# KiCad board Keyboard.kicad_pcb (continued)
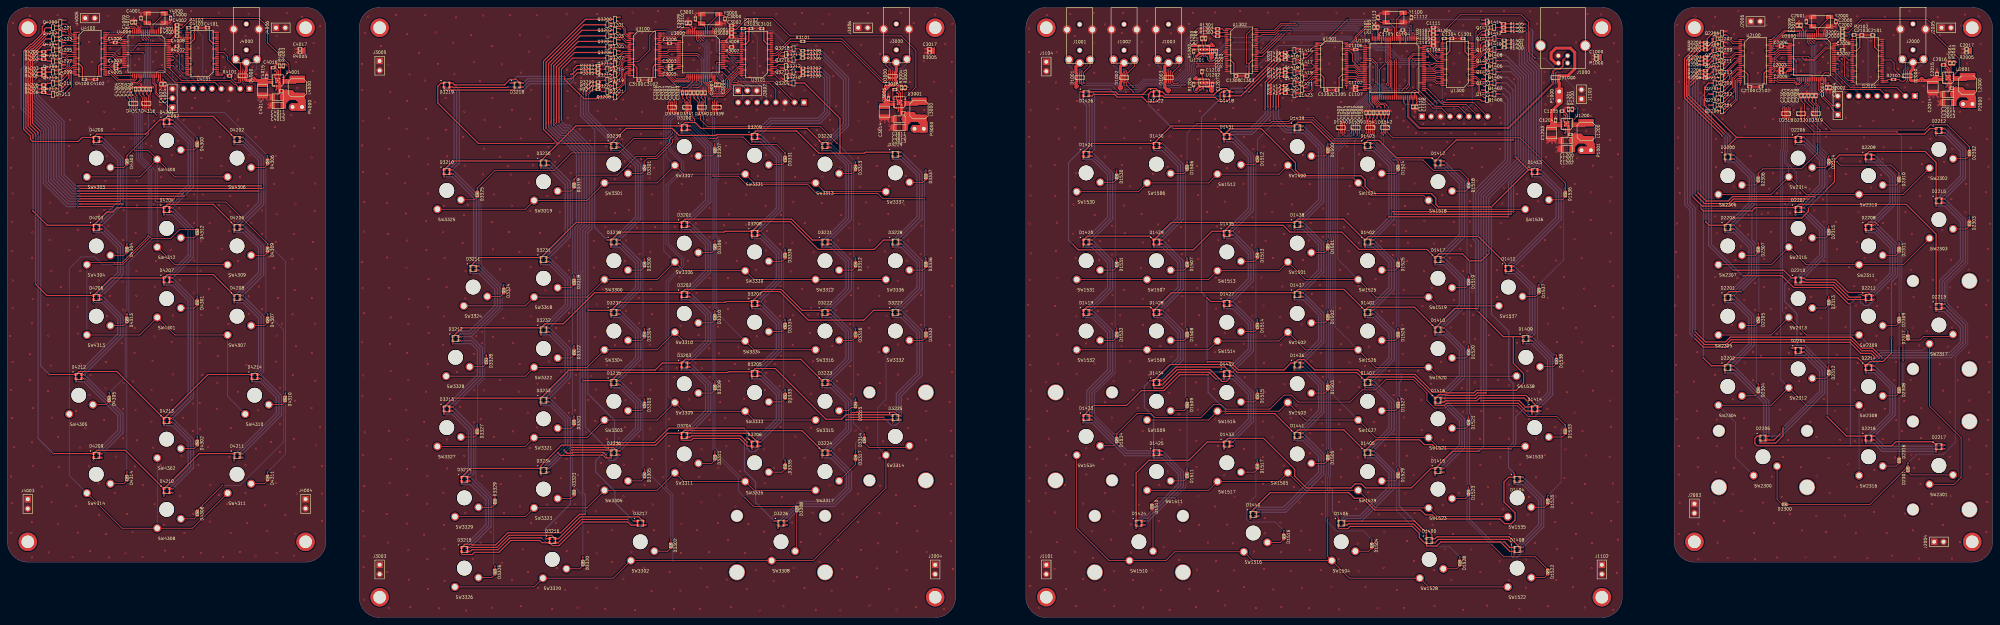
[diagram p0: board, top side]
## Library data of the parts (continued)
Q1400-Q1408 Q2200-Q2205 Q3200-Q3209 Q4200-Q4204 = -: Datasheet: https://www.onsemi.com/download/data-sheet/pdf/nta4151p-d.pdf; Description: P-Channel MOSFET; digikey#: DTA114EET1GOSCT-ND; mouser#: 863-NTA4151PT1G; farnell#: 2317622; Sim.Library: lib/spice/NTA4151P.LIB; Sim.Name: nta4151p; Sim.Device: SUBCKT; Sim.Pins: 1=2 2=3 3=1
Q1409-Q1423 Q2206-Q2214 Q3210-Q3221 Q4205-Q4213 = -: Datasheet: https://www.onsemi.com/download/data-sheet/pdf/nta4153n-d.pdf; Description: N-Channel MOSFET; mouser#: 863-NTA4153NT1G; farnell#: 2317621; Sim.Library: lib/spice/NTA4153N.REV0.LIB; Sim.Name: nta4153n; Sim.Device: SUBCKT; Sim.Pins: 1=2 2=3 3=1
R1000 R2005 R3005 R4005 = -: Datasheet: 667-ERJ-2RKF1004X; mouser#: 667-ERJ-2RKF1004X; ki_fp_filters: R_*
R1100 R1101 R1202-R1204 R1304 R2000 R2002 R2102 R3000 R3002 R3102 R4000 R4002 R4102 = -: Datasheet: 667-ERJ-2RKF1002X; mouser#: 667-ERJ-2RKF1002X; ki_fp_filters: R_*
R1102 R2001 R3001 R4001 = -: Datasheet: https://eu.mouser.com/datasheet/2/315/AOA0000C301-1488782.pdf; mouser#: 667-ERJ-2GE0R00X; ki_fp_filters: R_*
R1200 R2003 R3003 R4003 = -: Datasheet: 667-ERJ-2RKF7152X; mouser#: 667-ERJ-2RKF7152X; ki_fp_filters: R_*
R1201 R2004 R3004 R4004 = -: Datasheet: 667-ERJ-S02F2262X; mouser#: 667-ERJ-S02F2262X; ki_fp_filters: R_*
R1301-R1303 R2101 R3101 R4101 = -: Datasheet: 667-ERJ-2RKF1000X; mouser#: 667-ERJ-2RKF1000X; ki_fp_filters: R_*
R1400 R1403 R1406 R1409 R1412 R2200 R2203 R2206 R3200 R3203 R3206 R3209 R4200 R4203 R4206 = -: Datasheet: https://www.mouser.de/datasheet/2/447/PYu_RC_Group_51_RoHS_L_10-1664068.pdf; manf#: RC0402FR-0778R7L; mouser#: 603-RC0402FR-0778R7L; ki_fp_filters: R_*
R1401 R1404 R1407 R1410 R1413 R2201 R2204 R2207 R3201 R3204 R3207 R3210 R4201 R4204 R4207 = -: Datasheet: https://www.mouser.de/datasheet/2/315/AOA0000C304-1149620.pdf; manf#: ERJ-2RKF3000X; mouser#: 667-ERJ-2RKF3000X; ki_fp_filters: R_*
R1402 R1405 R1408 R1411 R1414 R2202 R2205 R2208 R3202 R3205 R3208 R3211 R4202 R4205 R4208 = -: Datasheet: https://www.mouser.de/datasheet/2/447/PYu_RC_Group_51_RoHS_L_10-1664068.pdf; manf#: RC0402FR-07127RL; mouser#: 603-RC0402FR-07127RL; ki_fp_filters: R_*
SW1500-SW1538 SW2300-SW2317 SW3300-SW3337 SW4300-SW4314 = -: Datasheet: https://www.cherrymx.de/dev.html; reichelt#: CHERRY MX1A-G1NA
U1100 U2000 U3000 U4000 = -: Datasheet: http://www.st.com/content/ccc/resource/technical/document/datasheet/9e/50/b1/5a/5f/ae/4d/c1/DM00086815.pdf/files/DM00086815.pdf/jcr:content/translations/en.DM00086815.pdf
U1200 U2001 U3001 U4001 = -: Datasheet: https://www.mouser.de/ProductDetail/Texas-Instruments/TLV62150RGTR?qs=sGAEpiMZZMsp%2fksXpw0UCdYH5JryFJ2T; Description: TLV62150x 4V to 17-V 1-A; mouser#: 595-TLV62150ARGTR; ki_fp_filters: VQFN16-RGT
U1300-U1302 U2100 U2101 U3100 U3101 U4100 U4101 = -: Datasheet: http://www.ti.com/lit/ds/symlink/sn74lvch16t245.pdf
X1004-X1007 X2004-X2007 X3004-X3007 X4004-X4007 = -: reichelt#: VT DI 5MM
X1400-X1402 X3200 X3201 = -: Datasheet: https://www.mouser.de/datasheet/2/109/Dialight_12192017_Panel%20Mount%205mm%20Lightpipe-1272673.pdf; manf#: 51513530188F; mouser#: 645-51513530188F
X1541 X1542 X2300-X2302 X3338 X3339 = -: Datasheet: https://datasheet.octopart.com/0G990743-Cherry-datasheet-130429.pdf; digikey#: G99-0742-ND; farnell#: 98B1430; mouser#: 540-G99-0224
Y1100 Y2000 Y3000 Y4000 = -: Datasheet: http://www.farnell.com/datasheets/2864167.pdf; farnell#: 2854013; ki_fp_filters: Crystal*

## Footprints (pads in the part's own frame, mm; a bottom-side part is the same pattern mirrored in y, then rotated)
APTF1616-RGB
  rect 0.8x0.7 smd: 1(0.75,-0.55) 2(-0.75,-0.55) 3(-0.75,0.55) 4(0.75,0.55)
C_0402
  rect 0.6x0.7 smd: 1(-0.5,0) 2(0.5,0)
C_1206
  rect 1.5x1.8 smd: 1(-1.5,0) 2(1.5,0)
C_1210
  rect 1.5x2.8 smd: 1(-1.5,0) 2(1.5,0)
Crystal_SMD_Multicomp_5032
  rect 2x1.2 smd: 1(-2.3,-1.3) 2(2.3,-1.3) 3(2.3,1.3) 4(-2.3,1.3)
Current-Probe-2.54
  rect 2.032x2.032 hole 1.016: 1(0,0)
  oval 2.032x2.032 hole 1.016: 2(0,-2.54)
FC68125
  round 1.5 hole 1.1: (0,7) (0,0)
  round 2.3 hole 1.5: 1(0,-3.4) 2(2.85,-2.5) 3(-3.4,5.6) 3(3.4,5.6) 6(-2.85,-2.5)
L_Taiyo-Yuden_NR-50xx
  rect 2x4.2 smd: 1(-2.3,0) 2(2.3,0)
LQFP-64
  rect 0.3x1.2 smd: 1(3.75,5.95) 2(3.25,5.95) 3(2.75,5.95) 4(2.25,5.95) 5(1.75,5.95) 6(1.25,5.95) 7(0.75,5.95) 8(0.25,5.95) 9(-0.25,5.95) 10(-0.75,5.95) 11(-1.25,5.95) 12(-1.75,5.95) 13(-2.25,5.95) 14(-2.75,5.95) 15(-3.25,5.95) 16(-3.75,5.95) 33(-3.75,-5.95) 34(-3.25,-5.95) 35(-2.75,-5.95) 36(-2.25,-5.95) 37(-1.75,-5.95) 38(-1.25,-5.95) 39(-0.75,-5.95) 40(-0.25,-5.95) 41(0.25,-5.95) 42(0.75,-5.95) 43(1.25,-5.95) 44(1.75,-5.95) 45(2.25,-5.95) 46(2.75,-5.95) 47(3.25,-5.95) 48(3.75,-5.95)
  rect 1.2x0.3 smd: 17(-5.95,3.75) 18(-5.95,3.25) 19(-5.95,2.75) 20(-5.95,2.25) 21(-5.95,1.75) 22(-5.95,1.25) 23(-5.95,0.75) 24(-5.95,0.25) 25(-5.95,-0.25) 26(-5.95,-0.75) 27(-5.95,-1.25) 28(-5.95,-1.75) 29(-5.95,-2.25) 30(-5.95,-2.75) 31(-5.95,-3.25) 32(-5.95,-3.75) 49(5.95,-3.75) 50(5.95,-3.25) 51(5.95,-2.75) 52(5.95,-2.25) 53(5.95,-1.75) 54(5.95,-1.25) 55(5.95,-0.75) 56(5.95,-0.25) 57(5.95,0.25) 58(5.95,0.75) 59(5.95,1.25) 60(5.95,1.75) 61(5.95,2.25) 62(5.95,2.75) 63(5.95,3.25) 64(5.95,3.75)
LQFP-100
  rect 0.3x1.2 smd: 1(6,7.95) 2(5.5,7.95) 3(5,7.95) 4(4.5,7.95) 5(4,7.95) 6(3.5,7.95) 7(3,7.95) 8(2.5,7.95) 9(2,7.95) 10(1.5,7.95) 11(1,7.95) 12(0.5,7.95) 13(0,7.95) 14(-0.5,7.95) 15(-1,7.95) 16(-1.5,7.95) 17(-2,7.95) 18(-2.5,7.95) 19(-3,7.95) 20(-3.5,7.95) 21(-4,7.95) 22(-4.5,7.95) 23(-5,7.95) 24(-5.5,7.95) 25(-6,7.95) 51(-6,-7.95) 52(-5.5,-7.95) 53(-5,-7.95) 54(-4.5,-7.95) 55(-4,-7.95) 56(-3.5,-7.95) 57(-3,-7.95) 58(-2.5,-7.95) 59(-2,-7.95) 60(-1.5,-7.95) 61(-1,-7.95) 62(-0.5,-7.95) 63(0,-7.95) 64(0.5,-7.95) 65(1,-7.95) 66(1.5,-7.95) 67(2,-7.95) 68(2.5,-7.95) 69(3,-7.95) 70(3.5,-7.95) 71(4,-7.95) 72(4.5,-7.95) 73(5,-7.95) 74(5.5,-7.95) 75(6,-7.95)
  rect 1.2x0.3 smd: 26(-7.95,6) 27(-7.95,5.5) 28(-7.95,5) 29(-7.95,4.5) 30(-7.95,4) 31(-7.95,3.5) 32(-7.95,3) 33(-7.95,2.5) 34(-7.95,2) 35(-7.95,1.5) 36(-7.95,1) 37(-7.95,0.5) 38(-7.95,0) 39(-7.95,-0.5) 40(-7.95,-1) 41(-7.95,-1.5) 42(-7.95,-2) 43(-7.95,-2.5) 44(-7.95,-3) 45(-7.95,-3.5) 46(-7.95,-4) 47(-7.95,-4.5) 48(-7.95,-5) 49(-7.95,-5.5) 50(-7.95,-6) 76(7.95,-6) 77(7.95,-5.5) 78(7.95,-5) 79(7.95,-4.5) 80(7.95,-4) 81(7.95,-3.5) 82(7.95,-3) 83(7.95,-2.5) 84(7.95,-2) 85(7.95,-1.5) 86(7.95,-1) 87(7.95,-0.5) 88(7.95,0) 89(7.95,0.5) 90(7.95,1) 91(7.95,1.5) 92(7.95,2) 93(7.95,2.5) 94(7.95,3) 95(7.95,3.5) 96(7.95,4) 97(7.95,4.5) 98(7.95,5) 99(7.95,5.5) 100(7.95,6)
Mounting-Hole-M3
  round 5 hole 3.4: 1(0,0)
Pin_Header_Horizontal_1x08_Pitch2.54mm
  rect 1.7x1.7 hole 1: 1(0,0)
  oval 1.7x1.7 hole 1: 2(0,-2.54) 3(0,-5.08) 4(0,-7.62) 5(0,-10.16) 6(0,-12.7) 7(0,-15.24) 8(0,-17.78)
Pin_Header_Straight_1x02_Pitch2.54mm
  rect 1.7x1.7 hole 1: 1(0,0)
  oval 1.7x1.7 hole 1: 2(0,-2.54)
Pin_Header_Straight_1x03_Pitch2.54mm
  rect 1.7x1.7 hole 1: 1(0,0)
  oval 1.7x1.7 hole 1: 2(0,-2.54) 3(0,-5.08)
R_0402
  rect 0.6x0.7 smd: 1(-0.5,0) 2(0.5,0)
SC-75
  rect 0.356x0.508 smd: 1(-0.5,-0.647) 2(0.5,-0.647) 3(0,0.647)
SOD-523
  rect 0.6x0.7 smd: 1(-0.7,0) 2(0.7,0)
STAB-G99-0224
  round 3.4 hole 3.1: (-11.9,7) (11.9,7)
  round 4.4 hole 4: (-11.9,-8.24) (11.9,-8.24)
SW_Cherry_MX1A_RGB
  round 4 hole 4 unplated: (0,0)
  round 2.2 hole 1.5: 1(2.54,5.08) 2(-3.81,2.54)
TSSOP48-DGG
  rect 0.3x1 smd: 1(-5.75,-4.05) 2(-5.25,-4.05) 3(-4.75,-4.05) 4(-4.25,-4.05) 5(-3.75,-4.05) 6(-3.25,-4.05) 7(-2.75,-4.05) 8(-2.25,-4.05) 9(-1.75,-4.05) 10(-1.25,-4.05) 11(-0.75,-4.05) 12(-0.25,-4.05) 13(0.25,-4.05) 14(0.75,-4.05) 15(1.25,-4.05) 16(1.75,-4.05) 17(2.25,-4.05) 18(2.75,-4.05) 19(3.25,-4.05) 20(3.75,-4.05) 21(4.25,-4.05) 22(4.75,-4.05) 23(5.25,-4.05) 24(5.75,-4.05) 25(5.75,4.05) 26(5.25,4.05) 27(4.75,4.05) 28(4.25,4.05) 29(3.75,4.05) 30(3.25,4.05) 31(2.75,4.05) 32(2.25,4.05) 33(1.75,4.05) 34(1.25,4.05) 35(0.75,4.05) 36(0.25,4.05) 37(-0.25,4.05) 38(-0.75,4.05) 39(-1.25,4.05) 40(-1.75,4.05) 41(-2.25,4.05) 42(-2.75,4.05) 43(-3.25,4.05) 44(-3.75,4.05) 45(-4.25,4.05) 46(-4.75,4.05) 47(-5.25,4.05) 48(-5.75,4.05)
USB-61400416121
  round 1.4 hole 0.92: 1(1.25,4.71) 2(-1.25,4.71) 3(-1.25,2.71) 4(1.25,2.71)
  round 3 hole 2.3: 5(-6.02,0) 5(6.02,0)
USON10
  rect 0.7x0.2 smd: 1(-0.492,1) 2(-0.492,0.5) 4(-0.492,-0.5) 5(-0.492,-1) 6(0.492,-1) 7(0.492,-0.5) 9(0.492,0.5) 10(0.492,1)
  rect 0.7x0.4 smd: 3(-0.492,0) 8(0.492,0)
VQFN16-RGT
  rect 0.8x0.24 smd: 1(-1.5,0.75) 2(-1.5,0.25) 3(-1.5,-0.25) 4(-1.5,-0.75) 9(1.5,-0.75) 10(1.5,-0.25) 11(1.5,0.25) 12(1.5,0.75)
  rect 0.24x0.8 smd: 5(-0.75,-1.5) 6(-0.25,-1.5) 7(0.25,-1.5) 8(0.75,-1.5) 13(0.75,1.5) 14(0.25,1.5) 15(-0.25,1.5) 16(-0.75,1.5)
  round 0.4 hole 0.2: 17(-0.5,0.5) 17(-0.5,-0.5) 17(0,0) 17(0.5,0.5) 17(0.5,-0.5)
  rect 1.5x1.5 smd: 17(0,0)
WSON-14
  rect 0.2x0.75 smd: 1(-1.2,-1.025) 2(-0.8,-1.025) 3(-0.4,-1.025) 4(0,-1.025) 5(0.4,-1.025) 6(0.8,-1.025) 7(1.2,-1.025) 8(1.2,1.025) 9(0.8,1.025) 10(0.4,1.025) 11(0,1.025) 12(-0.4,1.025) 13(-0.8,1.025) 14(-1.2,1.025)
  round 0.5 hole 0.3: 11(-0.9,0) 11(0,0) 11(0.9,0)
  rect 2.5x0.9 smd: 11(0,0)

## Nets
/VBUS: D1000.4 D1000.5 D1000.6 D1000.7 J1000.1 P1000.1
/VDD_5V_M1: D1001.1 D1001.2 D1001.9 D1001.10 J1001.1 U1201.13 U1201.14
/VDD_5V_M2: D1002.1 D1002.2 D1002.9 D1002.10 J1002.1 U1201.8 U1201.9
/VDD_5V_M3: D1003.1 D1003.2 D1003.9 D1003.10 J1003.1 U1202.13 U1202.14
GND: C1000.2 C1100.1 C1101.2 C1102.1 C1103.2 C1104.1 C1105.1 C1106.1 C1107.1 C1108.1 C1109.1 C1110.1 C1111.1 C1112.2 C1113.2 C1200.2 C1201.2 C1202.2 C1203.2 C1204.2 C1205.2 C1206.2 C1207.2 C1208.1 C1209.1 C1210.1 C1300.2 C1301.2 C1302.2 C1303.2 C1304.2 C1305.2 C1500.2 C1501.2 C1502.2 C1503.2 C1504.2 C1505.2 C1506.2 C2000.2 C2001.2 C2002.1 C2003.1 C2004.2 C2005.1 C2006.1 C2007.1 C2008.1 C2009.1 C2010.2 C2011.2 C2012.2 C2013.2 C2014.2 C2015.2 C2016.2 C2017.2 C2100.2 C2101.2 C2102.2 C2103.2 C2300.2 C2301.2 C2302.2 C2303.2 C2304.2 C3000.2 C3001.2 C3002.1 C3003.1 C3004.2 C3005.1 C3006.1 C3007.1 C3008.1 C3009.1 C3010.2 C3011.2 C3012.2 C3013.2 C3014.2 C3015.2 C3016.2 C3017.2 C3100.2 C3101.2 C3102.2 C3103.2 C3300.2 C3301.2 C3302.2 C3303.2 C3304.2 C3305.2 C3306.2 C4000.2 C4001.2 C4002.1 C4003.1 C4004.2 C4005.1 C4006.1 C4007.1 C4008.1 C4009.1 C4010.2 C4011.2 C4012.2 C4013.2 C4014.2 C4015.2 C4016.2 C4017.2 C4100.2 C4101.2 C4102.2 C4103.2 C4300.2 C4301.2 C4302.2 C4303.2 C4304.2 D1000.3 D1000.8 D1001.3 D1001.8 D1002.3 D1002.8 D1003.3 D1003.8 D1539.3 D1539.8 D1540.3 D1540.8 D1541.3 D1541.8 D1542.3 D1542.8 D2000.3 D2000.8 D2318.3 D2318.8 D2319.3 D2319.8 D2320.3 D2320.8 D3000.3 D3000.8 D3338.3 D3338.8 D3339.3 D3339.8 D3340.3 D3340.8 D3341.3 D3341.8 D4000.3 D4000.8 D4316.3 D4316.8 D4317.3 D4317.8 J1000.4 J1001.3 J1002.3 J1003.3 J1100.3 J1101.1 J1101.2 J1102.1 J1102.2 J1103.1 J1103.2 J1104.1 J1104.2 J2000.3 J2001.3 J2002.3 J2003.1 J2003.2 J2004.1 J2004.2 J2005.1 J2005.2 J2006.1 J2006.2 J3000.3 J3001.3 J3002.3 J3003.1 J3003.2 J3004.1 J3004.2 J3005.1 J3005.2 J3006.1 J3006.2 J4000.3 J4001.3 J4002.3 J4003.1 J4003.2 J4004.1 J4004.2 J4005.1 J4005.2 J4006.1 J4006.2 Q1409.2 Q1410.2 Q1411.2 Q1412.2 Q1413.2 Q1414.2 Q1415.2 Q1416.2 Q1417.2 Q1418.2 Q1419.2 Q1420.2 Q1421.2 Q1422.2 Q1423.2 Q2206.2 Q2207.2 Q2208.2 Q2209.2 Q2210.2 Q2211.2 Q2212.2 Q2213.2 Q2214.2 Q3210.2 Q3211.2 Q3212.2 Q3213.2 Q3214.2 Q3215.2 Q3216.2 Q3217.2 Q3218.2 Q3219.2 Q3220.2 Q3221.2 Q4205.2 Q4206.2 Q4207.2 Q4208.2 Q4209.2 Q4210.2 Q4211.2 Q4212.2 Q4213.2 R1000.2 R1100.2 R1201.2 R1202.2 R1203.2 R1204.2 R2002.1 R2004.2 R2005.2 R3002.1 R3004.2 R3005.2 R4002.1 R4004.2 R4005.2 U1100.7 U1100.10 U1100.20 U1100.27 U1100.49 U1100.74 U1100.80 U1100.99 U1200.6 U1200.8 U1200.15 U1200.16 U1200.17 U1201.11 U1202.5 U1202.11 U1300.4 U1300.10 U1300.15 U1300.21 U1300.28 U1300.34 U1300.39 U1300.45 U1301.4 U1301.10 U1301.15 U1301.21 U1301.28 U1301.34 U1301.39 U1301.45 U1302.4 U1302.10 U1302.15 U1302.21 U1302.24 U1302.28 U1302.34 U1302.39 U1302.45 U2000.2 U2000.12 U2000.18 U2000.31 U2000.47 U2000.63 U2001.6 U2001.8 U2001.15 U2001.16 U2001.17 U2100.4 U2100.10 U2100.15 U2100.21 U2100.28 U2100.34 U2100.39 U2100.45 U2101.4 U2101.10 U2101.15 U2101.21 U2101.24 U2101.28 U2101.34 U2101.39 U2101.45 U3000.12 U3000.18 U3000.31 U3000.47 U3000.53 U3000.63 U3001.6 U3001.8 U3001.15 U3001.16 U3001.17 U3100.4 U3100.10 U3100.15 U3100.21 U3100.28 U3100.34 U3100.39 U3100.45 U3101.4 U3101.10 U3101.15 U3101.21 U3101.24 U3101.28 U3101.34 U3101.39 U3101.45 U4000.12 U4000.18 U4000.31 U4000.47 U4000.63 U4001.6 U4001.8 U4001.15 U4001.16 U4001.17 U4100.4 U4100.10 U4100.15 U4100.21 U4100.28 U4100.34 U4100.39 U4100.45 U4101.4 U4101.10 U4101.15 U4101.21 U4101.24 U4101.28 U4101.34 U4101.39 U4101.45 Y1100.2 Y1100.4 Y2000.2 Y2000.4 Y3000.2 Y3000.4 Y4000.2 Y4000.4
VDD_3V3: C1100.2 C1101.1 C1103.1 C1104.2 C1105.2 C1106.2 C1107.2 C1108.2 C1109.2 C1303.1 C1304.1 C1305.1 J1100.1 P1001.2 R1101.1 R1304.1 U1100.11 U1100.19 U1100.21 U1100.22 U1100.28 U1100.50 U1100.75 U1100.100 U1300.1 U1300.24 U1300.31 U1300.42 U1301.1 U1301.24 U1301.31 U1301.42 U1302.1 U1302.31 U1302.42
VDD_3V3_2: C2004.1 C2005.2 C2006.2 C2007.2 C2008.2 C2009.2 C2010.1 C2102.1 C2103.1 J2001.1 P2000.2 R2000.1 R2102.1 U2000.13 U2000.19 U2000.32 U2000.48 U2000.53 U2000.64 U2100.1 U2100.24 U2100.31 U2100.42 U2101.1 U2101.31 U2101.42
VDD_3V3_3: C3004.1 C3005.2 C3006.2 C3007.2 C3008.2 C3009.2 C3010.1 C3102.1 C3103.1 J3001.1 P3000.2 R3000.1 R3102.1 U3000.2 U3000.13 U3000.19 U3000.32 U3000.48 U3000.64 U3100.1 U3100.24 U3100.31 U3100.42 U3101.1 U3101.31 U3101.42
VDD_3V3_4: C4004.1 C4005.2 C4006.2 C4007.2 C4008.2 C4009.2 C4010.1 C4102.1 C4103.1 J4001.1 P4000.2 R4000.1 R4102.1 U4000.2 U4000.13 U4000.19 U4000.32 U4000.48 U4000.53 U4000.64 U4100.1 U4100.24 U4100.31 U4100.42 U4101.1 U4101.31 U4101.42
VDD_5V0: C1203.1 C1204.1 C1206.1 C1207.1 C1300.1 C1301.1 C1302.1 P1000.2 Q1400.2 Q1401.2 Q1402.2 Q1403.2 Q1404.2 Q1405.2 Q1406.2 Q1407.2 Q1408.2 U1100.68 U1200.10 U1200.11 U1200.12 U1200.13 U1201.1 U1201.2 U1201.4 U1201.6 U1201.7 U1202.1 U1202.2 U1202.4 U1202.6 U1202.7 U1300.7 U1300.18 U1301.7 U1301.18 U1302.7 U1302.18
VDD_5V0_2: C2014.1 C2015.1 C2100.1 C2101.1 D2000.4 D2000.5 D2000.6 D2000.7 J2000.1 Q2200.2 Q2201.2 Q2202.2 Q2203.2 Q2204.2 Q2205.2 U2001.10 U2001.11 U2001.12 U2001.13 U2100.7 U2100.18 U2101.7 U2101.18
VDD_5V0_3: C3014.1 C3015.1 C3100.1 C3101.1 D3000.4 D3000.5 D3000.6 D3000.7 J3000.1 Q3200.2 Q3201.2 Q3202.2 Q3203.2 Q3204.2 Q3205.2 Q3206.2 Q3207.2 Q3208.2 Q3209.2 U3001.10 U3001.11 U3001.12 U3001.13 U3100.7 U3100.18 U3101.7 U3101.18
VDD_5V0_4: C4014.1 C4015.1 C4100.1 C4101.1 D4000.4 D4000.5 D4000.6 D4000.7 J4000.1 Q4200.2 Q4201.2 Q4202.2 Q4203.2 Q4204.2 U4001.10 U4001.11 U4001.12 U4001.13 U4100.7 U4100.18 U4101.7 U4101.18
/D+: D1000.1 D1000.10 J1000.3 U1100.71
/D-: D1000.2 D1000.9 J1000.2 U1100.70
/Keyboard-Left/CPU-Left/JTAG_RST: J3001.8 U3000.56
/Keyboard-Left/CPU-Left/JTAG_TCK: J3001.2 U3000.49
/Keyboard-Left/CPU-Left/JTAG_TDI: J3001.7 U3000.50
/Keyboard-Left/CPU-Left/JTAG_TDO: J3001.6 U3000.55
/Keyboard-Left/CPU-Left/JTAG_TMS: J3001.4 U3000.46
/Keyboard-Left/CPU-Left/LC1: U3000.14 U3100.47
/Keyboard-Left/CPU-Left/LC2: U3000.15 U3100.46
/Keyboard-Left/CPU-Left/LC3: U3000.16 U3100.44
/Keyboard-Left/CPU-Left/LC4: U3000.17 U3100.43
/Keyboard-Left/CPU-Left/LC5: U3000.20 U3100.41
/Keyboard-Left/CPU-Left/LC6: U3000.21 U3100.40
/Keyboard-Left/CPU-Left/LC7: U3000.22 U3100.38
/Keyboard-Left/CPU-Left/LC8: U3000.23 U3100.37
/Keyboard-Left/CPU-Left/LC9: U3000.41 U3100.26
/Keyboard-Left/CPU-Left/LC10: U3000.42 U3101.47
/Keyboard-Left/CPU-Left/LR1: U3000.43 U3101.46
/Keyboard-Left/CPU-Left/LR4: U3000.26 U3100.36
/Keyboard-Left/CPU-Left/LR5: U3000.27 U3100.35
/Keyboard-Left/CPU-Left/LR6: U3000.28 U3100.33
/Keyboard-Left/CPU-Left/LR7: U3000.61 U3101.41
/Keyboard-Left/CPU-Left/LR8: U3000.62 U3101.40
/Keyboard-Left/CPU-Left/LR9: U3000.29 U3100.32
/Keyboard-Left/CPU-Left/LR10: U3000.33 U3100.30
/Keyboard-Left/CPU-Left/LR11: U3000.34 U3100.29
/Keyboard-Left/CPU-Left/LR12: U3000.35 U3100.27
/Keyboard-Left/CPU-Left/LV_EN: R3102.2 U3000.57 U3100.25 U3100.48 U3101.25 U3101.48
/Keyboard-Left/CPU-Left/nRST: C3002.2 J3001.5 R3000.2 R3001.2 U3000.7
/Keyboard-Left/CPU-Left/PG: R3001.1 U3001.4
/Keyboard-Left/CPU-Left/UART6_RX3: J3002.2 U3000.45 U3101.43
/Keyboard-Left/CPU-Left/UART6_TX3: J3002.1 U3000.44 U3101.44
/Keyboard-Left/CPU-Left/USART1_RX: U3000.59 U3101.36
/Keyboard-Left/CPU-Left/USART1_TX: U3000.58 U3101.37
/Keyboard-Left/KeyMatrix-Left/KC1: D3338.5 D3338.6 SW3300.1 SW3306.1 SW3312.1 SW3318.1 SW3324.1 SW3330.1 SW3336.1 U3000.37
/Keyboard-Left/KeyMatrix-Left/KC2: D3338.4 D3338.7 SW3301.1 SW3307.1 SW3313.1 SW3319.1 SW3325.1 SW3331.1 SW3337.1 U3000.38
/Keyboard-Left/KeyMatrix-Left/KC3: D3338.2 D3338.9 SW3302.1 SW3308.1 SW3314.1 SW3320.1 SW3326.1 SW3332.1 U3000.39
/Keyboard-Left/KeyMatrix-Left/KC4: D3338.1 D3338.10 SW3303.1 SW3309.1 SW3315.1 SW3321.1 SW3327.1 SW3333.1 U3000.40
/Keyboard-Left/KeyMatrix-Left/KC5: D3339.4 D3339.7 SW3304.1 SW3310.1 SW3316.1 SW3322.1 SW3328.1 SW3334.1 U3000.51
/Keyboard-Left/KeyMatrix-Left/KC6: D3339.5 D3339.6 SW3305.1 SW3311.1 SW3317.1 SW3323.1 SW3329.1 SW3335.1 U3000.52
/Keyboard-Left/KeyMatrix-Left/KR1: C3300.1 D3300.1 D3301.1 D3302.1 D3303.1 D3304.1 D3305.1 D3340.5 D3340.6 U3000.8
/Keyboard-Left/KeyMatrix-Left/KR2: C3301.1 D3306.1 D3307.1 D3308.1 D3309.1 D3310.1 D3311.1 D3340.4 D3340.7 U3000.9
/Keyboard-Left/KeyMatrix-Left/KR3: C3302.1 D3312.1 D3313.1 D3314.1 D3315.1 D3316.1 D3317.1 D3340.2 D3340.9 U3000.10
/Keyboard-Left/KeyMatrix-Left/KR4: C3303.1 D3318.1 D3319.1 D3320.1 D3321.1 D3322.1 D3323.1 D3340.1 D3340.10 U3000.11
/Keyboard-Left/KeyMatrix-Left/KR5: C3304.1 D3324.1 D3325.1 D3326.1 D3327.1 D3328.1 D3329.1 D3341.5 D3341.6 U3000.24
/Keyboard-Left/KeyMatrix-Left/KR6: C3305.1 D3330.1 D3331.1 D3333.1 D3334.1 D3335.1 D3341.4 D3341.7 U3000.25
/Keyboard-Left/KeyMatrix-Left/KR7: C3306.1 D3332.1 D3336.1 D3337.1 D3341.2 D3341.9 U3000.36
/Keyboard-Left/LedMatrix-Left/LC1: Q3200.1 U3100.2
/Keyboard-Left/LedMatrix-Left/LC1_X3: D3200.1 D3210.1 D3220.1 D3230.1 Q3200.3
/Keyboard-Left/LedMatrix-Left/LC2: Q3201.1 U3100.3
/Keyboard-Left/LedMatrix-Left/LC2_X3: D3201.1 D3211.1 D3221.1 D3231.1 Q3201.3
/Keyboard-Left/LedMatrix-Left/LC3: Q3202.1 U3100.5
/Keyboard-Left/LedMatrix-Left/LC3_X4: D3202.1 D3212.1 D3222.1 D3232.1 Q3202.3
/Keyboard-Left/LedMatrix-Left/LC4: Q3203.1 U3100.6
/Keyboard-Left/LedMatrix-Left/LC4_X5: D3203.1 D3213.1 D3223.1 D3233.1 Q3203.3
/Keyboard-Left/LedMatrix-Left/LC5: Q3204.1 U3100.8
/Keyboard-Left/LedMatrix-Left/LC5_X6: D3204.1 D3214.1 D3224.1 D3234.1 Q3204.3
/Keyboard-Left/LedMatrix-Left/LC6: Q3205.1 U3100.9
/Keyboard-Left/LedMatrix-Left/LC6_X7: D3205.1 D3215.1 D3225.1 D3235.1 Q3205.3
/Keyboard-Left/LedMatrix-Left/LC7: Q3206.1 U3100.11
/Keyboard-Left/LedMatrix-Left/LC7_X8: D3206.1 D3216.1 D3226.1 D3236.1 Q3206.3
/Keyboard-Left/LedMatrix-Left/LC8: Q3207.1 U3100.12
/Keyboard-Left/LedMatrix-Left/LC8_X9: D3207.1 D3217.1 D3227.1 D3237.1 Q3207.3
/Keyboard-Left/LedMatrix-Left/LC9: Q3208.1 U3100.23
/Keyboard-Left/LedMatrix-Left/LC9_X10: D3208.1 D3218.1 D3228.1 D3238.1 Q3208.3
/Keyboard-Left/LedMatrix-Left/LC10: Q3209.1 U3101.2
/Keyboard-Left/LedMatrix-Left/LC10_X3: D3209.1 D3219.1 D3229.1 D3239.1 Q3209.3
/Keyboard-Left/LedMatrix-Left/LR1: Q3210.1 U3101.3
/Keyboard-Left/LedMatrix-Left/LR1_X3: D3200.4 D3201.4 D3202.4 D3203.4 D3204.4 D3205.4 D3206.4 D3207.4 D3208.4 D3209.4 R3200.1
/Keyboard-Left/LedMatrix-Left/LR2: Q3211.1 U3101.5
/Keyboard-Left/LedMatrix-Left/LR2_X3: D3200.3 D3201.3 D3202.3 D3203.3 D3204.3 D3205.3 D3206.3 D3207.3 D3208.3 D3209.3 R3201.1
/Keyboard-Left/LedMatrix-Left/LR3: Q3212.1 U3101.6
/Keyboard-Left/LedMatrix-Left/LR3_X3: D3200.2 D3201.2 D3202.2 D3203.2 D3204.2 D3205.2 D3206.2 D3207.2 D3208.2 D3209.2 R3202.1
/Keyboard-Left/LedMatrix-Left/LR4: Q3213.1 U3100.13
/Keyboard-Left/LedMatrix-Left/LR4_X3: D3210.4 D3211.4 D3212.4 D3213.4 D3214.4 D3215.4 D3216.4 D3217.4 D3218.4 D3219.4 R3203.1
/Keyboard-Left/LedMatrix-Left/LR5: Q3214.1 U3100.14
/Keyboard-Left/LedMatrix-Left/LR5_X3: D3210.3 D3211.3 D3212.3 D3213.3 D3214.3 D3215.3 D3216.3 D3217.3 D3218.3 D3219.3 R3204.1
/Keyboard-Left/LedMatrix-Left/LR6: Q3215.1 U3100.16
/Keyboard-Left/LedMatrix-Left/LR6_X3: D3210.2 D3211.2 D3212.2 D3213.2 D3214.2 D3215.2 D3216.2 D3217.2 D3218.2 D3219.2 R3205.1
/Keyboard-Left/LedMatrix-Left/LR7: Q3216.1 U3101.8
/Keyboard-Left/LedMatrix-Left/LR7_X3: D3220.4 D3221.4 D3222.4 D3223.4 D3224.4 D3225.4 D3226.4 D3227.4 D3228.4 D3229.4 R3206.1
/Keyboard-Left/LedMatrix-Left/LR8: Q3217.1 U3101.9
/Keyboard-Left/LedMatrix-Left/LR8_X3: D3220.3 D3221.3 D3222.3 D3223.3 D3224.3 D3225.3 D3226.3 D3227.3 D3228.3 D3229.3 R3207.1
/Keyboard-Left/LedMatrix-Left/LR9: Q3218.1 U3100.17
/Keyboard-Left/LedMatrix-Left/LR9_X3: D3220.2 D3221.2 D3222.2 D3223.2 D3224.2 D3225.2 D3226.2 D3227.2 D3228.2 D3229.2 R3208.1
/Keyboard-Left/LedMatrix-Left/LR10: Q3219.1 U3100.19
/Keyboard-Left/LedMatrix-Left/LR10_X3: D3230.4 D3231.4 D3232.4 D3233.4 D3234.4 D3235.4 D3236.4 D3237.4 D3238.4 D3239.4 R3209.1
/Keyboard-Left/LedMatrix-Left/LR11: Q3220.1 U3100.20
/Keyboard-Left/LedMatrix-Left/LR11_X3: D3230.3 D3231.3 D3232.3 D3233.3 D3234.3 D3235.3 D3236.3 D3237.3 D3238.3 D3239.3 R3210.1
/Keyboard-Left/LedMatrix-Left/LR12: Q3221.1 U3100.22
/Keyboard-Left/LedMatrix-Left/LR12_X3: D3230.2 D3231.2 D3232.2 D3233.2 D3234.2 D3235.2 D3236.2 D3237.2 D3238.2 D3239.2 R3211.1
/Keyboard-Left/SHIELD_3: C3017.1 R3005.1 X3000.1 X3001.1 X3002.1 X3003.1
/Keyboard-Navblock/CPU-Navblock/JTAG_RST: J4001.8 U4000.56
/Keyboard-Navblock/CPU-Navblock/JTAG_TCK: J4001.2 U4000.49
/Keyboard-Navblock/CPU-Navblock/JTAG_TDI: J4001.7 U4000.50
/Keyboard-Navblock/CPU-Navblock/JTAG_TDO: J4001.6 U4000.55
/Keyboard-Navblock/CPU-Navblock/JTAG_TMS: J4001.4 U4000.46
/Keyboard-Navblock/CPU-Navblock/LC1: U4000.14 U4100.47
/Keyboard-Navblock/CPU-Navblock/LC2: U4000.15 U4100.46
/Keyboard-Navblock/CPU-Navblock/LC3: U4000.16 U4100.44
/Keyboard-Navblock/CPU-Navblock/LC4: U4000.17 U4100.43
/Keyboard-Navblock/CPU-Navblock/LC5: U4000.20 U4100.41
/Keyboard-Navblock/CPU-Navblock/LR1: U4000.26 U4100.37
/Keyboard-Navblock/CPU-Navblock/LR2: U4000.27 U4100.36
/Keyboard-Navblock/CPU-Navblock/LR3: U4000.28 U4100.35
/Keyboard-Navblock/CPU-Navblock/LR4: U4000.61 U4100.33
/Keyboard-Navblock/CPU-Navblock/LR5: U4000.62 U4100.32
/Keyboard-Navblock/CPU-Navblock/LR6: U4000.29 U4100.30
/Keyboard-Navblock/CPU-Navblock/LR7: U4000.33 U4100.29
/Keyboard-Navblock/CPU-Navblock/LR8: U4000.34 U4100.27
/Keyboard-Navblock/CPU-Navblock/LR9: U4000.35 U4100.26
/Keyboard-Navblock/CPU-Navblock/LV_EN: R4102.2 U4000.57 U4100.25 U4100.48 U4101.25 U4101.48
/Keyboard-Navblock/CPU-Navblock/nRST: C4002.2 J4001.5 R4000.2 R4001.2 U4000.7
/Keyboard-Navblock/CPU-Navblock/PG: R4001.1 U4001.4
/Keyboard-Navblock/CPU-Navblock/UART6_RX4: J4002.2 U4000.45
/Keyboard-Navblock/CPU-Navblock/UART6_TX4: J4002.1 U4000.44
/Keyboard-Navblock/CPU-Navblock/USART1_RX: U4000.59 U4101.36
/Keyboard-Navblock/CPU-Navblock/USART1_TX: U4000.58 U4101.47
/Keyboard-Navblock/KeyMatrix-Navblock/KC1: D4317.1 D4317.10 SW4300.1 SW4303.1 SW4306.1 SW4309.1 SW4312.1 U4000.25
/Keyboard-Navblock/KeyMatrix-Navblock/KC2: D4317.2 D4317.9 SW4301.1 SW4304.1 SW4307.1 SW4310.1 SW4313.1 U4000.37
/Keyboard-Navblock/KeyMatrix-Navblock/KC3: D4317.4 D4317.7 SW4302.1 SW4305.1 SW4308.1 SW4311.1 SW4314.1 U4000.38
/Keyboard-Navblock/KeyMatrix-Navblock/KR1: C4300.1 D4300.1 D4301.1 D4302.1 D4316.5 D4316.6 U4000.8
/Keyboard-Navblock/KeyMatrix-Navblock/KR2: C4301.1 D4303.1 D4304.1 D4305.1 D4316.4 D4316.7 U4000.9
/Keyboard-Navblock/KeyMatrix-Navblock/KR3: C4302.1 D4306.1 D4307.1 D4308.1 D4316.2 D4316.9 U4000.10
/Keyboard-Navblock/KeyMatrix-Navblock/KR4: C4303.1 D4309.1 D4310.1 D4311.1 D4316.1 D4316.10 U4000.11
/Keyboard-Navblock/KeyMatrix-Navblock/KR5: C4304.1 D4312.1 D4313.1 D4314.1 D4317.5 D4317.6 U4000.24
/Keyboard-Navblock/LedMatrix-Navblock/LC1: Q4200.1 U4100.2
/Keyboard-Navblock/LedMatrix-Navblock/LC1_X4: D4200.1 D4201.1 D4202.1 Q4200.3
/Keyboard-Navblock/LedMatrix-Navblock/LC2: Q4201.1 U4100.3
/Keyboard-Navblock/LedMatrix-Navblock/LC2_X4: D4203.1 D4204.1 D4205.1 Q4201.3
/Keyboard-Navblock/LedMatrix-Navblock/LC3: Q4202.1 U4100.5
/Keyboard-Navblock/LedMatrix-Navblock/LC3_X4: D4206.1 D4207.1 D4208.1 Q4202.3
/Keyboard-Navblock/LedMatrix-Navblock/LC4: Q4203.1 U4100.6
/Keyboard-Navblock/LedMatrix-Navblock/LC4_X4: D4209.1 D4210.1 D4211.1 Q4203.3
/Keyboard-Navblock/LedMatrix-Navblock/LC5: Q4204.1 U4100.8
/Keyboard-Navblock/LedMatrix-Navblock/LC5_X4: D4212.1 D4213.1 D4214.1 Q4204.3
/Keyboard-Navblock/LedMatrix-Navblock/LR1: Q4205.1 U4100.12
/Keyboard-Navblock/LedMatrix-Navblock/LR1_X4: D4200.4 D4203.4 D4206.4 D4209.4 D4212.4 R4200.1
/Keyboard-Navblock/LedMatrix-Navblock/LR2: Q4206.1 U4100.13
/Keyboard-Navblock/LedMatrix-Navblock/LR2_X4: D4200.3 D4203.3 D4206.3 D4209.3 D4212.3 R4201.1
/Keyboard-Navblock/LedMatrix-Navblock/LR3: Q4207.1 U4100.14
/Keyboard-Navblock/LedMatrix-Navblock/LR3_X4: D4200.2 D4203.2 D4206.2 D4209.2 D4212.2 R4202.1
/Keyboard-Navblock/LedMatrix-Navblock/LR4: Q4208.1 U4100.16
/Keyboard-Navblock/LedMatrix-Navblock/LR4_X4: D4201.4 D4204.4 D4207.4 D4210.4 D4213.4 R4203.1
/Keyboard-Navblock/LedMatrix-Navblock/LR5: Q4209.1 U4100.17
/Keyboard-Navblock/LedMatrix-Navblock/LR5_X4: D4201.3 D4204.3 D4207.3 D4210.3 D4213.3 R4204.1
/Keyboard-Navblock/LedMatrix-Navblock/LR6: Q4210.1 U4100.19
/Keyboard-Navblock/LedMatrix-Navblock/LR6_X4: D4201.2 D4204.2 D4207.2 D4210.2 D4213.2 R4205.1
/Keyboard-Navblock/LedMatrix-Navblock/LR7: Q4211.1 U4100.20
/Keyboard-Navblock/LedMatrix-Navblock/LR7_X4: D4202.4 D4205.4 D4208.4 D4211.4 D4214.4 R4206.1
/Keyboard-Navblock/LedMatrix-Navblock/LR8: Q4212.1 U4100.22
/Keyboard-Navblock/LedMatrix-Navblock/LR8_X4: D4202.3 D4205.3 D4208.3 D4211.3 D4214.3 R4207.1
/Keyboard-Navblock/LedMatrix-Navblock/LR9: Q4213.1 U4100.23
/Keyboard-Navblock/LedMatrix-Navblock/LR9_X4: D4202.2 D4205.2 D4208.2 D4211.2 D4214.2 R4208.1
/Keyboard-Navblock/SHIELD_4: C4017.1 R4005.1 X4000.1 X4001.1 X4002.1 X4003.1
/Keyboard-Numblock/CPU-Numblock/JTAG_RST: J2001.8 U2000.56
/Keyboard-Numblock/CPU-Numblock/JTAG_TCK: J2001.2 U2000.49
/Keyboard-Numblock/CPU-Numblock/JTAG_TDI: J2001.7 U2000.50
/Keyboard-Numblock/CPU-Numblock/JTAG_TDO: J2001.6 U2000.55
/Keyboard-Numblock/CPU-Numblock/JTAG_TMS: J2001.4 U2000.46
/Keyboard-Numblock/CPU-Numblock/LC1: U2000.61 U2100.33
/Keyboard-Numblock/CPU-Numblock/LC2: U2000.62 U2100.32
/Keyboard-Numblock/CPU-Numblock/LC3: U2000.29 U2100.30
/Keyboard-Numblock/CPU-Numblock/LC4: U2000.33 U2100.29
/Keyboard-Numblock/CPU-Numblock/LC5: U2000.34 U2100.27
/Keyboard-Numblock/CPU-Numblock/LC6: U2000.35 U2100.26
/Keyboard-Numblock/CPU-Numblock/LR1: U2000.14 U2100.47
/Keyboard-Numblock/CPU-Numblock/LR2: U2000.15 U2100.46
/Keyboard-Numblock/CPU-Numblock/LR3: U2000.16 U2100.44
/Keyboard-Numblock/CPU-Numblock/LR4: U2000.17 U2100.43
/Keyboard-Numblock/CPU-Numblock/LR5: U2000.20 U2100.41
/Keyboard-Numblock/CPU-Numblock/LR6: U2000.21 U2100.40
/Keyboard-Numblock/CPU-Numblock/LR7: U2000.22 U2100.38
/Keyboard-Numblock/CPU-Numblock/LR8: U2000.23 U2100.37
/Keyboard-Numblock/CPU-Numblock/LR9: U2000.41 U2100.36
/Keyboard-Numblock/CPU-Numblock/LV_EN: R2102.2 U2000.57 U2100.25 U2100.48 U2101.25 U2101.48
/Keyboard-Numblock/CPU-Numblock/nRST: C2002.2 J2001.5 R2000.2 R2001.2 U2000.7
/Keyboard-Numblock/CPU-Numblock/PG: R2001.1 U2001.4
/Keyboard-Numblock/CPU-Numblock/UART6_RX2: J2002.2 U2000.45
/Keyboard-Numblock/CPU-Numblock/UART6_TX2: J2002.1 U2000.44
/Keyboard-Numblock/CPU-Numblock/USART1_RX: U2000.59 U2101.36
/Keyboard-Numblock/CPU-Numblock/USART1_TX: U2000.58 U2101.47
/Keyboard-Numblock/KeyMatrix-Numblock/KC1: D2318.5 D2318.6 SW2300.1 SW2304.1 SW2308.1 SW2312.1 SW2316.1 U2000.25
/Keyboard-Numblock/KeyMatrix-Numblock/KC2: D2318.4 D2318.7 SW2301.1 SW2305.1 SW2309.1 SW2313.1 SW2317.1 U2000.37
/Keyboard-Numblock/KeyMatrix-Numblock/KC3: D2318.2 D2318.9 SW2302.1 SW2306.1 SW2310.1 SW2314.1 U2000.38
/Keyboard-Numblock/KeyMatrix-Numblock/KC4: D2318.1 D2318.10 SW2303.1 SW2307.1 SW2311.1 SW2315.1 U2000.39
/Keyboard-Numblock/KeyMatrix-Numblock/KR1: C2300.1 D2300.1 D2301.1 D2302.1 D2303.1 D2319.5 D2319.6 U2000.8
/Keyboard-Numblock/KeyMatrix-Numblock/KR2: C2301.1 D2304.1 D2305.1 D2306.1 D2307.1 D2319.4 D2319.7 U2000.9
/Keyboard-Numblock/KeyMatrix-Numblock/KR3: C2302.1 D2308.1 D2309.1 D2310.1 D2311.1 D2319.2 D2319.9 U2000.10
/Keyboard-Numblock/KeyMatrix-Numblock/KR4: C2303.1 D2312.1 D2313.1 D2314.1 D2315.1 D2319.1 D2319.10 U2000.11
/Keyboard-Numblock/KeyMatrix-Numblock/KR5: C2304.1 D2316.1 D2317.1 D2320.5 D2320.6 U2000.24
/Keyboard-Numblock/LedMatrix-Numblock/LC1: Q2200.1 U2100.16
/Keyboard-Numblock/LedMatrix-Numblock/LC1_X2: D2200.1 D2206.1 D2212.1 Q2200.3
/Keyboard-Numblock/LedMatrix-Numblock/LC2: Q2201.1 U2100.17
/Keyboard-Numblock/LedMatrix-Numblock/LC2_X2: D2201.1 D2207.1 D2213.1 Q2201.3
/Keyboard-Numblock/LedMatrix-Numblock/LC3: Q2202.1 U2100.19
/Keyboard-Numblock/LedMatrix-Numblock/LC3_X2: D2202.1 D2208.1 D2214.1 Q2202.3
/Keyboard-Numblock/LedMatrix-Numblock/LC4: Q2203.1 U2100.20
/Keyboard-Numblock/LedMatrix-Numblock/LC4_X2: D2203.1 D2209.1 D2215.1 Q2203.3
/Keyboard-Numblock/LedMatrix-Numblock/LC5: Q2204.1 U2100.22
/Keyboard-Numblock/LedMatrix-Numblock/LC5_X2: D2204.1 D2210.1 D2216.1 Q2204.3
/Keyboard-Numblock/LedMatrix-Numblock/LC6: Q2205.1 U2100.23
/Keyboard-Numblock/LedMatrix-Numblock/LC6_X2: D2205.1 D2211.1 D2217.1 Q2205.3
/Keyboard-Numblock/LedMatrix-Numblock/LR1: Q2206.1 U2100.2
/Keyboard-Numblock/LedMatrix-Numblock/LR1_X2: D2200.4 D2201.4 D2202.4 D2203.4 D2204.4 D2205.4 R2200.1
/Keyboard-Numblock/LedMatrix-Numblock/LR2: Q2207.1 U2100.3
/Keyboard-Numblock/LedMatrix-Numblock/LR2_X2: D2200.3 D2201.3 D2202.3 D2203.3 D2204.3 D2205.3 R2201.1
/Keyboard-Numblock/LedMatrix-Numblock/LR3: Q2208.1 U2100.5
/Keyboard-Numblock/LedMatrix-Numblock/LR3_X2: D2200.2 D2201.2 D2202.2 D2203.2 D2204.2 D2205.2 R2202.1
/Keyboard-Numblock/LedMatrix-Numblock/LR4: Q2209.1 U2100.6
/Keyboard-Numblock/LedMatrix-Numblock/LR4_X2: D2206.4 D2207.4 D2208.4 D2209.4 D2210.4 D2211.4 R2203.1
/Keyboard-Numblock/LedMatrix-Numblock/LR5: Q2210.1 U2100.8
/Keyboard-Numblock/LedMatrix-Numblock/LR5_X2: D2206.3 D2207.3 D2208.3 D2209.3 D2210.3 D2211.3 R2204.1
/Keyboard-Numblock/LedMatrix-Numblock/LR6: Q2211.1 U2100.9
/Keyboard-Numblock/LedMatrix-Numblock/LR6_X2: D2206.2 D2207.2 D2208.2 D2209.2 D2210.2 D2211.2 R2205.1
/Keyboard-Numblock/LedMatrix-Numblock/LR7: Q2212.1 U2100.11
/Keyboard-Numblock/LedMatrix-Numblock/LR7_X2: D2212.4 D2213.4 D2214.4 D2215.4 D2216.4 D2217.4 R2206.1
/Keyboard-Numblock/LedMatrix-Numblock/LR8: Q2213.1 U2100.12
/Keyboard-Numblock/LedMatrix-Numblock/LR8_X2: D2212.3 D2213.3 D2214.3 D2215.3 D2216.3 D2217.3 R2207.1
/Keyboard-Numblock/LedMatrix-Numblock/LR9: Q2214.1 U2100.13
/Keyboard-Numblock/LedMatrix-Numblock/LR9_X2: D2212.2 D2213.2 D2214.2 D2215.2 D2216.2 D2217.2 R2208.1
/Keyboard-Numblock/SHIELD_2: C2017.1 R2005.1 X2000.1 X2001.1 X2002.1 X2003.1
/Keyboard-Right/CPU-Right/JTAG_RST: J1100.8 U1100.90
/Keyboard-Right/CPU-Right/JTAG_TCK: J1100.2 U1100.76
/Keyboard-Right/CPU-Right/JTAG_TDI: J1100.7 U1100.77
/Keyboard-Right/CPU-Right/JTAG_TDO: J1100.6 U1100.89
/Keyboard-Right/CPU-Right/JTAG_TMS: J1100.4 U1100.72
/Keyboard-Right/CPU-Right/LC1: U1100.81 U1300.47
/Keyboard-Right/CPU-Right/LC2: U1100.82 U1300.46
/Keyboard-Right/CPU-Right/LC3: U1100.83 U1300.44
/Keyboard-Right/CPU-Right/LC4: U1100.84 U1300.43
/Keyboard-Right/CPU-Right/LC5: U1100.85 U1300.41
/Keyboard-Right/CPU-Right/LC6: U1100.86 U1300.40
/Keyboard-Right/CPU-Right/LC7: U1100.87 U1300.38
/Keyboard-Right/CPU-Right/LC8: U1100.88 U1300.37
/Keyboard-Right/CPU-Right/LC9: U1100.55 U1300.36
/Keyboard-Right/CPU-Right/LR1: U1100.97 U1300.35
/Keyboard-Right/CPU-Right/LR2: U1100.98 U1300.33
/Keyboard-Right/CPU-Right/LR3: U1100.1 U1300.32
/Keyboard-Right/CPU-Right/LR4: U1100.2 U1300.30
/Keyboard-Right/CPU-Right/LR5: U1100.3 U1300.29
/Keyboard-Right/CPU-Right/LR6: U1100.4 U1301.47
/Keyboard-Right/CPU-Right/LR7: U1100.5 U1301.46
/Keyboard-Right/CPU-Right/LR8: U1100.38 U1301.44
/Keyboard-Right/CPU-Right/LR9: U1100.39 U1301.36
/Keyboard-Right/CPU-Right/LR10: U1100.40 U1301.35
/Keyboard-Right/CPU-Right/LR11: U1100.41 U1301.33
/Keyboard-Right/CPU-Right/LR12: U1100.42 U1301.32
/Keyboard-Right/CPU-Right/LR13: U1100.43 U1301.30
/Keyboard-Right/CPU-Right/LR14: U1100.44 U1301.29
/Keyboard-Right/CPU-Right/LR15: U1100.45 U1301.27
/Keyboard-Right/CPU-Right/LV_EN: R1304.2 U1100.91 U1300.25 U1300.48 U1301.25 U1301.48 U1302.25 U1302.48
/Keyboard-Right/CPU-Right/nRST: C1111.2 J1100.5 R1101.2 R1102.2 U1100.14
/Keyboard-Right/CPU-Right/PG: R1102.1 U1200.4
/Keyboard-Right/CPU-Right/PWR_M1_EN: R1202.1 U1100.35 U1201.3
/Keyboard-Right/CPU-Right/PWR_M2_EN: R1203.1 U1100.36 U1201.5
/Keyboard-Right/CPU-Right/PWR_M3_EN: R1204.1 U1100.37 U1202.3
/Keyboard-Right/CPU-Right/USART1_RX: U1100.93 U1302.36
/Keyboard-Right/CPU-Right/USART1_TX: U1100.92 U1302.47
/Keyboard-Right/CPU-Right/USART2_RX: U1100.26 U1302.35
/Keyboard-Right/CPU-Right/USART2_TX: U1100.25 U1302.46
/Keyboard-Right/CPU-Right/USART6_RX: U1100.64 U1302.33
/Keyboard-Right/CPU-Right/USART6_TX: U1100.63 U1302.44
/Keyboard-Right/KeyMatrix-Right/KC1: D1539.5 D1539.6 SW1500.1 SW1506.1 SW1512.1 SW1518.1 SW1524.1 SW1530.1 SW1536.1 U1100.15
/Keyboard-Right/KeyMatrix-Right/KC2: D1539.4 D1539.7 SW1501.1 SW1507.1 SW1513.1 SW1519.1 SW1525.1 SW1531.1 SW1537.1 U1100.16
/Keyboard-Right/KeyMatrix-Right/KC3: D1539.2 D1539.9 SW1502.1 SW1508.1 SW1514.1 SW1520.1 SW1526.1 SW1532.1 SW1538.1 U1100.17
/Keyboard-Right/KeyMatrix-Right/KC4: D1539.1 D1539.10 SW1503.1 SW1509.1 SW1515.1 SW1521.1 SW1527.1 SW1533.1 U1100.18
/Keyboard-Right/KeyMatrix-Right/KC5: D1540.5 D1540.6 SW1504.1 SW1510.1 SW1516.1 SW1522.1 SW1528.1 SW1534.1 U1100.33
/Keyboard-Right/KeyMatrix-Right/KC6: D1540.4 D1540.7 SW1505.1 SW1511.1 SW1517.1 SW1523.1 SW1529.1 SW1535.1 U1100.34
/Keyboard-Right/KeyMatrix-Right/KR1: C1500.1 D1500.1 D1501.1 D1502.1 D1503.1 D1504.1 D1505.1 D1541.5 D1541.6 U1100.95
/Keyboard-Right/KeyMatrix-Right/KR2: C1501.1 D1506.1 D1507.1 D1508.1 D1509.1 D1510.1 D1511.1 D1541.4 D1541.7 U1100.96
/Keyboard-Right/KeyMatrix-Right/KR3: C1502.1 D1512.1 D1513.1 D1514.1 D1515.1 D1516.1 D1517.1 D1541.2 D1541.9 U1100.47
/Keyboard-Right/KeyMatrix-Right/KR4: C1503.1 D1518.1 D1519.1 D1520.1 D1521.1 D1522.1 D1523.1 D1541.1 D1541.10 U1100.51
/Keyboard-Right/KeyMatrix-Right/KR5: C1504.1 D1524.1 D1525.1 D1526.1 D1527.1 D1528.1 D1529.1 D1542.5 D1542.6 U1100.52
/Keyboard-Right/KeyMatrix-Right/KR6: C1505.1 D1530.1 D1531.1 D1532.1 D1533.1 D1534.1 D1535.1 D1542.4 D1542.7 U1100.53
/Keyboard-Right/KeyMatrix-Right/KR7: C1506.1 D1536.1 D1537.1 D1538.1 D1542.2 D1542.9 U1100.54
/Keyboard-Right/LED-Matrix-Right/LC1: Q1400.1 U1300.2
/Keyboard-Right/LED-Matrix-Right/LC1_X1: D1400.1 D1409.1 D1418.1 D1427.1 D1436.1 Q1400.3
/Keyboard-Right/LED-Matrix-Right/LC2: Q1401.1 U1300.3
/Keyboard-Right/LED-Matrix-Right/LC2_X1: D1401.1 D1410.1 D1419.1 D1428.1 D1437.1 Q1401.3
/Keyboard-Right/LED-Matrix-Right/LC3: Q1402.1 U1300.5
/Keyboard-Right/LED-Matrix-Right/LC3_X1: D1402.1 D1411.1 D1420.1 D1429.1 D1438.1 Q1402.3
/Keyboard-Right/LED-Matrix-Right/LC4: Q1403.1 U1300.6
/Keyboard-Right/LED-Matrix-Right/LC4_X1: D1403.1 D1412.1 D1421.1 D1430.1 D1439.1 Q1403.3
/Keyboard-Right/LED-Matrix-Right/LC5: Q1404.1 U1300.8
/Keyboard-Right/LED-Matrix-Right/LC5_X1: D1404.1 D1413.1 D1422.1 D1431.1 D1440.1 Q1404.3
/Keyboard-Right/LED-Matrix-Right/LC6: Q1405.1 U1300.9
/Keyboard-Right/LED-Matrix-Right/LC6_X1: D1405.1 D1414.1 D1423.1 D1432.1 D1441.1 Q1405.3
/Keyboard-Right/LED-Matrix-Right/LC7: Q1406.1 U1300.11
/Keyboard-Right/LED-Matrix-Right/LC7_X1: D1406.1 D1415.1 D1424.1 D1433.1 Q1406.3